# Altium PCB egse_pcb.PcbDoc (part 1 of 3) (continued)
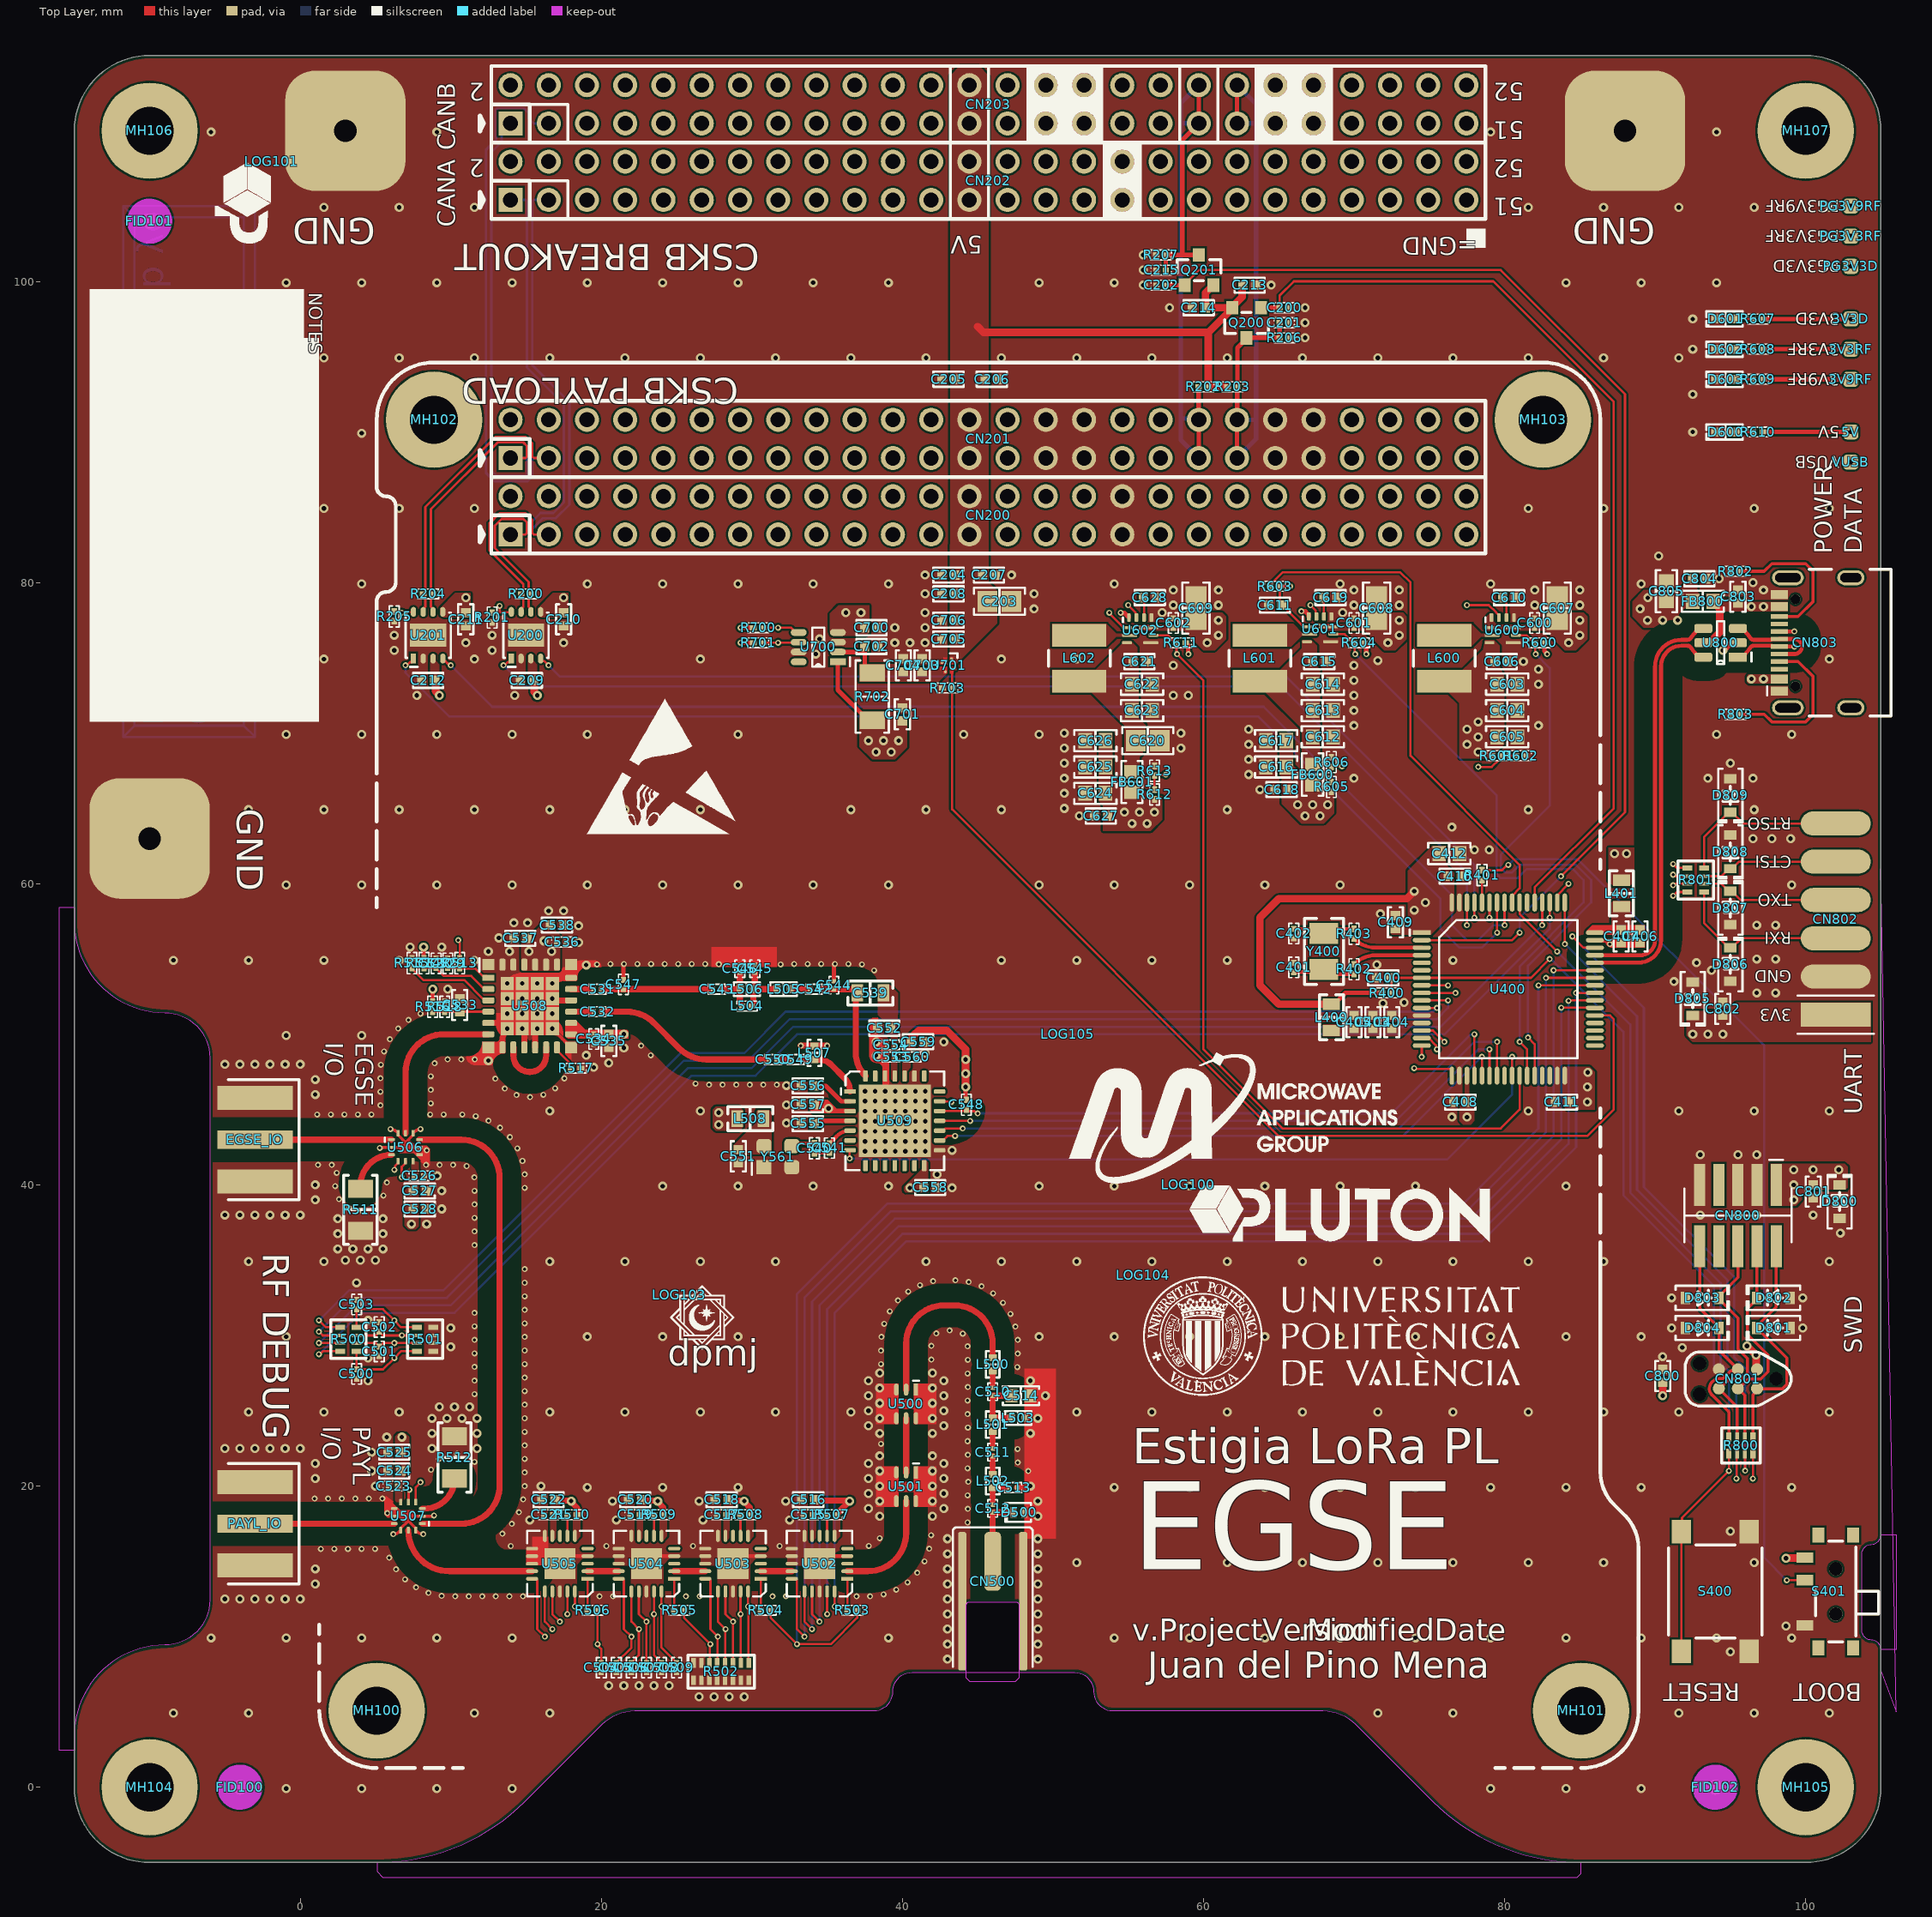
[diagram p0: Top Layer view]
## Footprints (in the part's own frame and the unit in brackets; to place one, negate y for a bottom-side part, rotate by r counter-clockwise, add the part's x,y. Pads: shape width x height; smd on the part's side, far side on the other; paste and mask are expansions set on the pad) (continued)
testpoint_via [mm] "top & bottom testpoint with a via"
  rrect50% 1x1 hole 0.3: 0(0,0)
USB4105-GF-A [mm] "USB4105-GF-A"
  rect 0.6x1.15 smd paste+0 mask+0: A1-B12(-3.2,3.59) A4-B9(-2.4,3.59) B1-A12(3.2,3.59) B4-A9(2.4,3.59)
  rect 0.3x1.15 smd paste+0 mask+0: A5(-1.25,3.59) A6(-0.25,3.59) A7(0.25,3.59) A8(1.25,3.59) B5(1.75,3.59) B6(0.75,3.59) B7(-0.75,3.59) B8(-1.75,3.59)
  rrect100% 1x1.8 hole 1.4 slot 0.6 at 0 deg paste-2539.97 mask+0: S(-4.32,-1.165) S(4.32,-1.165)
  rrect100% 1x2.1 hole 1.7 slot 0.6 at 0 deg paste-2539.97 mask+0: S(-4.32,3.015) S(4.32,3.015)
  round 0.65 hole 0.65 unplated paste-2539.97 mask+0: ""(-2.89,2.515) ""(2.89,2.515)
  silkscreen extent -4.86,-3.84 4.86,4.4, body extent -4.96,-3.94 4.96,4.27, height 0.25
VQFN-HR-TPS6291X [mm]
  rrect50% 0.65x0.2 smd: 1(-0.125,-0.675) 3(-0.125,-1.675) 5(1.625,-1.175)
  rrect50% 1x0.2 smd: 2(0.05,-1.175) 4(1.45,-1.675) 6(1.45,-0.675)
  rrect40% 0.25x0.55 smd: 7(1.5,0) 8(1,0) 9(0.5,0) 10(0,0)
  silkscreen extent -0.4,-0.3 -0.4,0, body extent -0.25,-1.92 1.75,0.08, height 1
WS-TASV_L6W6H4.3_4301x20438x6 [mm] "SMD Tact Switch, body 6x6mm"
  rect 1.55x1.3 smd: A1(-3.975,2.25) A2(3.975,2.25) B1(-3.975,-2.25) B2(3.975,-2.25)
  silkscreen extent -3.1,-3.1 3.1,3.1, body extent -4.5,-3.1 4.5,3.1, height 4.3
"WURTH WS-SLSU 450404015514" [mm] "Right angle Slide Switch"
  rect 0.7x1.1 smd: 1(2.25,-2.05) 2(-0.75,-2.05) 3(-2.25,-2.05)
  rect 1x0.8 smd: M(-3.75,-1.15) M(-3.75,1.15) M(3.75,-1.15) M(3.75,1.15)
  round 0.9 hole 0.9 unplated: MH(-1.5,0) MH(1.5,0)
  silkscreen extent -3.35,-1.35 3.35,2.85, body extent -3.85,-2.25 3.85,2.88, height 1.4

## Part data
3V3D 3V3RF 3V9RF 5V PG3V3D PG3V3RF PG3V9RF VUSB: library part TestPoint-VIA, "Test point, thru-hole"
C200 C201 C202 C215: library part GRM0335C1E221JA01D, "CAP CER 220PF 25V C0G/NP0 0201", Device Package="0201 (0603 Metric)", manufacturer="Murata Electronics", Operating Temperature="-55°C ~ 125°C", Supplier Part Number 1=490-GRM0335C1E221JA01DCT-ND, Temperature Coefficient="C0G, NP0", Tolerance=±5%, Voltage - Rated=25V, Applications="General Purpose", Capacitance="220 pF", componentlink2description="DigiKey Link", componentlink2url=https://www.digikey.com/en/products/detail/murata-electronics/GRM0335C1E221JA01D/10697031, lastupdated="04/06/2024 19:01:01", Lifecycle Status=Active, Minimum Order=1, Mounting Type="Surface Mount, MLCC", Package / Case="0201 (0603 Metric)", packaging=CutTape, Part Number=GRM0335C1E221JA01D, Part Status=Active, partid=46083, price=0.01, series=GRM, Size / Dimension="0.024\" L x 0.012\" W (0.60mm x 0.30mm)", Supplier 1=DigiKey, Thickness (Max)="0.013\" (0.33mm)"
C203 C620: library part GRM21BR61A476ME15K, "CAP CER 47UF 10V X5R 0805", Device Package="0805 (2012 Metric)", manufacturer="Murata Electronics", Operating Temperature="-55°C ~ 85°C", Supplier Part Number 1=490-GRM21BR61A476ME15KCT-ND, Temperature Coefficient=X5R, Tolerance=±20%, Voltage - Rated=10V, Applications="General Purpose", Capacitance="47 µF", ComponentLink1Description=Datasheet, ComponentLink1URL=https://www.murata.com/-/media/webrenewal/support/library/catalog/products/capacitor/ceramiccapacitor/c02e.ashx?la=en-us&cvid=20210120024548000000, componentlink2description="DigiKey Link", componentlink2url=https://www.digikey.com/en/products/detail/murata-electronics/GRM21BR61A476ME15K/4905528, lastupdated="09/02/2024 20:14:59", Lifecycle Status=Active, Minimum Order=1, Mounting Type="Surface Mount, MLCC", Package / Case="0805 (2012 Metric)", packaging=TapeAndReel, Part Number=GRM21BR61A476ME15K, Part Status=Active, partid=44285, price=0.13, series=GRM, Size / Dimension="0.079\" L x 0.049\" W (2.00mm x 1.25mm)", Supplier 1=DigiKey, Thickness (Max)="0.057\" (1.45mm)"
C204 C403 C406 C538 C704 C706: library part GRT155C71A105KE13D, "CAP CER 1UF 10V X7S 0402", Device Package="0402 (1005 Metric)", manufacturer="Murata Electronics", Operating Temperature="-55°C ~ 125°C", Ratings=AEC-Q200, Supplier Part Number 1=490-GRT155C71A105KE13DCT-ND, Temperature Coefficient=X7S, Tolerance=±10%, Voltage - Rated=10V, Applications=Automotive, Capacitance="1 µF", ComponentLink1Description=Datasheet, ComponentLink1URL=https://search.murata.co.jp/Ceramy/image/img/A01X/G101/ENG/GRT155C71A105KE13-01.pdf, componentlink2description="DigiKey Link", componentlink2url=https://www.digikey.com/en/products/detail/murata-electronics/GRT155C71A105KE13D/10695747, lastupdated="09/02/2024 20:04:05", Lifecycle Status=Active, Minimum Order=1, Mounting Type="Surface Mount, MLCC", Package / Case="0402 (1005 Metric)", packaging=TapeAndReel, Part Number=GRT155C71A105KE13D, Part Status=Active, partid=47127, price=0.04, series=GRT, Size / Dimension="0.039\" L x 0.020\" W (1.00mm x 0.50mm)", Supplier 1=DigiKey, Thickness (Max)="0.024\" (0.60mm)"
C205 C206 C207 C208 C209 C210 C211 C212 C213 C214 C400 C404 C407 C408 C409 C410 C411 C516 C518 C520 C522 C525 C528 C537 C551 C555 C556 C557 C558 C559 C606 C611 C615 C618 C621 C627 C700 C701 C702 C703 C705 C800 C801 C802 C803 C804: library part C0402C104K4RECAUTO, "CAP CER 0402 0.1UF 16V X7R 10%", Device Package="0402 (1005 Metric)", manufacturer=KEMET, Operating Temperature="-55°C ~ 125°C", Ratings=AEC-Q200, Supplier Part Number 1=399-17167-1-ND, Temperature Coefficient=X7R, Tolerance=±10%, Voltage - Rated=16V, Applications="Automotive, ESD Protection", Capacitance="0.1 µF", ComponentLink1Description=Datasheet, ComponentLink1URL=https://api.kemet.com/component-edge/download/datasheet/C0402C104K4RECAUTO.pdf, componentlink2description="DigiKey Link", componentlink2url=https://www.digikey.com/en/products/detail/kemet/C0402C104K4RECAUTO/8563695, lastupdated="09/02/2024 20:04:38", Lifecycle Status=Active, Minimum Order=1, Mounting Type="Surface Mount, MLCC", Package / Case="0402 (1005 Metric)", packaging=TapeAndReel, Part Number=C0402C104K4RECAUTO, Part Status=Active, partid=1731, price=0.01, series="ESD SMD Auto X7R", Size / Dimension="0.039\" L x 0.020\" W (1.00mm x 0.50mm)", Supplier 1=DigiKey, Thickness (Max)="0.022\" (0.55mm)"
C401 C402: library part CBR02C120F3GAC, "CAP CER 12PF 25V C0G/NP0 0201", Device Package="0201 (0603 Metric)", manufacturer=KEMET, Operating Temperature="-55°C ~ 125°C", Supplier Part Number 1=399-8604-1-ND, Temperature Coefficient="C0G, NP0", Tolerance=±1%, Voltage - Rated=25V, Applications="RF, Microwave, High Frequency", Capacitance="12 pF", ComponentLink1Description=Datasheet, ComponentLink1URL=https://api.kemet.com/component-edge/download/datasheet/CBR02C120F3GAC.pdf, componentlink2description="DigiKey Link", componentlink2url=https://www.digikey.com/en/products/detail/kemet/CBR02C120F3GAC/3479199, Features="High Q, Low Loss, Ultra Low ESR", lastupdated="04/06/2024 19:01:11", Lifecycle Status=Active, Minimum Order=1, Mounting Type="Surface Mount, MLCC", Package / Case="0201 (0603 Metric)", packaging=TapeAndReel, Part Number=CBR02C120F3GAC, Part Status=Active, partid=143, price=0.07, series="CBR-SMD RF C0G", Size / Dimension="0.024\" L x 0.012\" W (0.60mm x 0.30mm)", Supplier 1=DigiKey, Thickness (Max)="0.013\" (0.33mm)"
C405 C524 C527 C535 C552: library part GRM1555C1E103JE01J, "CAP CER 10000PF 25V C0G/NP0 0402", Device Package="0402 (1005 Metric)", manufacturer="Murata Electronics", Operating Temperature="-55°C ~ 125°C", Supplier Part Number 1=490-GRM1555C1E103JE01JCT-ND, Temperature Coefficient="C0G, NP0", Tolerance=±5%, Voltage - Rated=25V, Applications="General Purpose", Capacitance="10000 pF", ComponentLink1Description=Datasheet, ComponentLink1URL=https://search.murata.co.jp/Ceramy/image/img/A01X/G101/ENG/GRM1555C1E103JE01-01A.pdf, componentlink2description="DigiKey Link", componentlink2url=https://www.digikey.com/en/products/detail/murata-electronics/GRM1555C1E103JE01J/16033801, lastupdated="09/02/2024 20:04:09", Lifecycle Status=Active, Minimum Order=1, Mounting Type="Surface Mount, MLCC", Package / Case="0402 (1005 Metric)", packaging=TapeAndReel, Part Number=GRM1555C1E103JE01J, Part Status=Active, partid=41084, price=0.02, series=GRM, Size / Dimension="0.039\" L x 0.020\" W (1.00mm x 0.50mm)", Supplier 1=DigiKey, Thickness (Max)="0.026\" (0.65mm)"
C412 C805: library part GRM188Z71C475KE21J, "CAP CER 4.7UF 16V X7R 0603", Device Package="0603 (1608 Metric)", manufacturer="Murata Electronics", Operating Temperature="-55°C ~ 125°C", Supplier Part Number 1=490-GRM188Z71C475KE21JCT-ND, Temperature Coefficient=X7R, Tolerance=±10%, Voltage - Rated=16V, Applications="General Purpose", Capacitance="4.7 µF", ComponentLink1Description=Datasheet, ComponentLink1URL=https://search.murata.co.jp/Ceramy/image/img/A01X/G101/ENG/GRM188Z71C475KE21-01A.pdf, componentlink2description="DigiKey Link", componentlink2url=https://www.digikey.com/en/products/detail/murata-electronics/GRM188Z71C475KE21J/16033436, lastupdated="09/02/2024 20:09:51", Lifecycle Status=Active, Minimum Order=1, Mounting Type="Surface Mount, MLCC", Package / Case="0603 (1608 Metric)", packaging=TapeAndReel, Part Number=GRM188Z71C475KE21J, Part Status=Active, partid=41988, price=0.04, series=GRM, Size / Dimension="0.063\" L x 0.031\" W (1.60mm x 0.80mm)", Supplier 1=DigiKey, Thickness (Max)="0.039\" (1.00mm)"
C500 C501 C502 C503 C504 C505 C506 C507 C508 C509 C529 C530: library part GRM0335C1H560GA01D, "CAP CER 56PF 50V C0G/NP0 0201", Device Package="0201 (0603 Metric)", manufacturer="Murata Electronics", Operating Temperature="-55°C ~ 125°C", Supplier Part Number 1=490-13329-1-ND, Temperature Coefficient="C0G, NP0", Tolerance=±2%, Voltage - Rated=50V, Applications="General Purpose", Capacitance="56 pF", ComponentLink1Description=Datasheet, ComponentLink1URL=https://search.murata.co.jp/Ceramy/image/img/A01X/G101/ENG/GRM0335C1H560GA01-01.pdf, componentlink2description="DigiKey Link", componentlink2url=https://www.digikey.com/en/products/detail/murata-electronics/GRM0335C1H560GA01D/4358755, lastupdated="04/06/2024 19:01:09", Lifecycle Status=Active, Minimum Order=1, Mounting Type="Surface Mount", Package / Case="0201 (0603 Metric)", packaging=CutTape, Part Number=GRM0335C1H560GA01D, Part Status=Active, partid=528, price=0.01, series=GRM, Size / Dimension="0.024\" L x 0.012\" W (0.60mm x 0.30mm)", Supplier 1=DigiKey, Thickness (Max)="0.013\" (0.33mm)"
C510 C511: library part GJM0335C1E1R4BB01D, "CAP CER 1.4PF 25V C0G/NP0 0201", Device Package="0201 (0603 Metric)", manufacturer="Murata Electronics", Operating Temperature="-55°C ~ 125°C", Supplier Part Number 1=490-11174-1-ND, Temperature Coefficient="C0G, NP0", Tolerance=±0.1pF, Voltage - Rated=25V, Applications="RF, Microwave, High Frequency", Capacitance="1.4 pF", ComponentLink1Description=Datasheet, ComponentLink1URL=https://search.murata.co.jp/Ceramy/image/img/A01X/G101/ENG/GJM0335C1E1R4BB01-01.pdf, componentlink2description="DigiKey Link", componentlink2url=https://www.digikey.com/en/products/detail/murata-electronics/GJM0335C1E1R4BB01D/2592522, Features="High Q, Low Loss", lastupdated="03/06/2024 19:34:09", Lifecycle Status=Active, Minimum Order=1, Mounting Type="Surface Mount", Package / Case="0201 (0603 Metric)", packaging=TapeAndReel, Part Number=GJM0335C1E1R4BB01D, Part Status=Active, partid=255, price=0.01, series=GJM, Size / Dimension="0.024\" L x 0.012\" W (0.60mm x 0.30mm)", Supplier 1=DigiKey, Thickness (Max)="0.013\" (0.33mm)"
C512 C531 C532 C542 C550: library part QLCD250Q101J1GV001T, "CAP CER 100PF 25V C0G/NP0 0201", Device Package="0201 (0603 Metric)", manufacturer="Johanson Technology Inc.", Operating Temperature="-55°C ~ 125°C", Supplier Part Number 1=712-QLCD250Q101J1GV001TCT-ND, Temperature Coefficient="C0G, NP0", Tolerance=±5%, Voltage - Rated=25V, Applications="RF, Microwave, High Frequency", Capacitance="100 pF", ComponentLink1Description=Datasheet, ComponentLink1URL=https://www.johansontechnology.com/downloads/catalog/johanson-technology-multi-layer-high-q-capacitors.pdf, componentlink2description="DigiKey Link", componentlink2url=https://www.digikey.com/en/products/detail/johanson-technology-inc/QLCD250Q101J1GV001T/1561511, Features="High Q, Low Loss", lastupdated="03/06/2024 19:34:07", Lifecycle Status=Active, Minimum Order=1, Mounting Type="Surface Mount, MLCC", Package / Case="0201 (0603 Metric)", packaging=TapeAndReel, Part Number=QLCD250Q101J1GV001T, Part Status=Active, partid=3724, price=0.02, series=L, Size / Dimension="0.024\" L x 0.012\" W (0.60mm x 0.30mm)", Supplier 1=DigiKey, Thickness (Max)="0.013\" (0.33mm)"
C513: library part CBR02C229B3GAC, "CAP CER 2.2PF 25V C0G/NP0 0201", Device Package="0201 (0603 Metric)", manufacturer=KEMET, Operating Temperature="-55°C ~ 125°C", Supplier Part Number 1=399-8607-1-ND, Temperature Coefficient="C0G, NP0", Tolerance=±0.1pF, Voltage - Rated=25V, Applications="RF, Microwave, High Frequency", Capacitance="2.2 pF", ComponentLink1Description=Datasheet, ComponentLink1URL=https://api.kemet.com/component-edge/download/datasheet/CBR02C229B3GAC.pdf, componentlink2description="DigiKey Link", componentlink2url=https://www.digikey.com/en/products/detail/kemet/CBR02C229B3GAC/3479233, Features="High Q, Low Loss, Ultra Low ESR", lastupdated="03/06/2024 19:34:10", Lifecycle Status=Active, Minimum Order=1, Mounting Type="Surface Mount, MLCC", Package / Case="0201 (0603 Metric)", packaging=TapeAndReel, Part Number=CBR02C229B3GAC, Part Status=Active, partid=161, price=0.02, series="CBR-SMD RF C0G", Size / Dimension="0.024\" L x 0.012\" W (0.60mm x 0.30mm)", Supplier 1=DigiKey, Thickness (Max)="0.013\" (0.33mm)"
C514: library part CBR06C620F5GAC, "CAP CER 62PF 50V C0G/NP0 0603", Device Package="0603 (1608 Metric)", manufacturer=KEMET, Operating Temperature="-55°C ~ 125°C", Supplier Part Number 1=399-16219-1-ND, Temperature Coefficient="C0G, NP0", Tolerance=±1%, Voltage - Rated=50V, Applications="RF, Microwave, High Frequency", Capacitance="62 pF", ComponentLink1Description=Datasheet, ComponentLink1URL=https://api.kemet.com/component-edge/download/datasheet/CBR06C620F5GAC.pdf, componentlink2description="DigiKey Link", componentlink2url=https://www.digikey.com/en/products/detail/kemet/CBR06C620F5GAC/7649525, Features="High Q, Low Loss, Ultra Low ESR", lastupdated="03/06/2024 19:44:09", Lifecycle Status=Active, Minimum Order=1, Mounting Type="Surface Mount, MLCC", Package / Case="0603 (1608 Metric)", packaging=TapeAndReel, Part Number=CBR06C620F5GAC, Part Status=Active, partid=3653, price=0.30, series="CBR-SMD RF C0G", Size / Dimension="0.063\" L x 0.031\" W (1.60mm x 0.80mm)", Supplier 1=DigiKey, Thickness (Max)="0.035\" (0.90mm)"
C515 C517 C519 C521 C523 C526 C534 C536: library part GRM0335C1H221JA01D, "CAP CER 220PF 50V C0G/NP0 0201", Device Package="0201 (0603 Metric)", manufacturer="Murata Electronics", Operating Temperature="-55°C ~ 125°C", Supplier Part Number 1=490-11316-1-ND, Temperature Coefficient="C0G, NP0", Tolerance=±5%, Voltage - Rated=50V, Applications="General Purpose", Capacitance="220 pF", ComponentLink1Description=Datasheet, ComponentLink1URL=https://search.murata.co.jp/Ceramy/image/img/A01X/G101/ENG/GRM0335C1H221JA01-01.pdf, componentlink2description="DigiKey Link", componentlink2url=https://www.digikey.com/en/products/detail/murata-electronics/GRM0335C1H221JA01D/4904370, lastupdated="04/06/2024 19:01:09", Lifecycle Status=Active, Minimum Order=1, Mounting Type="Surface Mount", Package / Case="0201 (0603 Metric)", packaging=CutTape, Part Number=GRM0335C1H221JA01D, Part Status=Active, partid=574, price=0.01, series=GRM, Size / Dimension="0.024\" L x 0.012\" W (0.60mm x 0.30mm)", Supplier 1=DigiKey, Thickness (Max)="0.013\" (0.33mm)"
C533: library part CL05A105KO5NNNC, "CAP CER 1UF 16V X5R 0402", Device Package="0402 (1005 Metric)", manufacturer="Samsung Electro-Mechanics", Operating Temperature="-55°C ~ 85°C", Supplier Part Number 1=1276-1067-1-ND, Temperature Coefficient=X5R, Tolerance=±10%, Voltage - Rated=16V, Applications="General Purpose", Capacitance="1 µF", ComponentLink1Description=Datasheet, ComponentLink1URL=http://www.samsungsem.com/kr/support/product-search/mlcc/CL05A105KO5NNNC.jsp, componentlink2description="DigiKey Link", componentlink2url=https://www.digikey.com/en/products/detail/samsung-electro-mechanics/CL05A105KO5NNNC/3886725, lastupdated="09/02/2024 20:04:35", Lifecycle Status=Active, Minimum Order=1, Mounting Type="Surface Mount, MLCC", Package / Case="0402 (1005 Metric)", packaging=TapeAndReel, Part Number=CL05A105KO5NNNC, Part Status=Active, partid=3120, price=0.01, series=CL, Size / Dimension="0.039\" L x 0.020\" W (1.00mm x 0.50mm)", Supplier 1=DigiKey, Thickness (Max)="0.022\" (0.55mm)"
C539 L400 L401 L508: library part B82496C3101J000, "FIXED IND 100NH 200MA 1.8 OHM", Current Rating (Amps)=200mA, DC Resistance (DCR)="1.8Ohm Max", Device Package="0603 (1608 Metric)", Frequency - Self Resonant=1.8GHz, Inductance Frequency - Test=100MHz, manufacturer="TDK Electronics Inc.", Operating Temperature="-55°C ~ 150°C", Q @ Freq="14 @ 100MHz", Ratings=AEC-Q200, Supplier Part Number 1=495-1825-1-ND, Tolerance=±5%, ComponentLink1Description=Datasheet, ComponentLink1URL=https://www.tdk-electronics.tdk.com/inf/30/db/ind_2008/b82496c.pdf, componentlink2description="DigiKey Link", componentlink2url=http://digikey.com/product-detail/en/tdk-electronics-inc/B82496C3101J000/495-1825-1-ND/697680, Inductance=100nH, lastupdated="06/09/2020 11:05:16", Lifecycle Status=Active, Material - Core=Ceramic, Minimum Order=1, Mounting Type="Surface Mount", Package / Case="0603 (1608 Metric)", packaging=TapeAndReel, Part Number=B82496C3101J000, Part Status=Active, partid=755, price=0.16, series=SIMID, Shielding=Unshielded, Supplier 1=DigiKey, Supplier Device Package="0603 (1608 Metric)", Type=Wirewound
C540: library part RC0201FR-07220RL, "RES 220 OHM 1% 1/20W 0201", Device Package="0201 (0603 Metric)", manufacturer=Yageo, Operating Temperature="-55°C ~ 125°C", Power (Watts)="0.05W, 1/20W", Supplier Device Package=0201, Supplier Part Number 1=YAG2509CT-ND, Temperature Coefficient=±200ppm/°C, Tolerance=±1%, ComponentLink1Description=Datasheet, ComponentLink1URL=https://www.yageo.com/upload/media/product/productsearch/datasheet/rchip/PYu-RC_Group_51_RoHS_L_10.pdf, componentlink2description="DigiKey Link", componentlink2url=https://www.digikey.com/en/products/detail/yageo/RC0201FR-07220RL/5280369, Composition="Thick Film", Features="Moisture Resistant", Height - Seated (Max)="0.010\" (0.26mm)", lastupdated="04/06/2024 19:12:00", Lifecycle Status=Active, Minimum Order=1, Number of Terminations=2, Package / Case="0201 (0603 Metric)", packaging=TapeAndReel, Part Number=RC0201FR-07220RL, Part Status=Active, partid=816, price=0.01, Resistance="220 Ohms", series=RC_L, Size / Dimension="0.024\" L x 0.012\" W (0.60mm x 0.30mm)", Supplier 1=DigiKey
C541: library part GJM0335C1E100GB01D, "CAP CER 10PF 25V C0G/NP0 0201", Device Package="0201 (0603 Metric)", manufacturer="Murata Electronics", Operating Temperature="-55°C ~ 125°C", Supplier Part Number 1=490-16382-1-ND, Temperature Coefficient="C0G, NP0", Tolerance=±2%, Voltage - Rated=25V, Applications="RF, Microwave, High Frequency", Capacitance="10 pF", ComponentLink1Description=Datasheet, ComponentLink1URL=https://search.murata.co.jp/Ceramy/image/img/A01X/G101/ENG/GJM0335C1E100GB01-01.pdf, componentlink2description="DigiKey Link", componentlink2url=https://www.digikey.com/en/products/detail/murata-electronics/GJM0335C1E100GB01D/7363126, Features="High Q, Low Loss", lastupdated="04/06/2024 19:01:11", Lifecycle Status=Active, Minimum Order=1, Mounting Type="Surface Mount, MLCC", Package / Case="0201 (0603 Metric)", packaging=TapeAndReel, Part Number=GJM0335C1E100GB01D, Part Status=Active, partid=213, price=0.01, series=GJM, Size / Dimension="0.024\" L x 0.012\" W (0.60mm x 0.30mm)", Supplier 1=DigiKey, Thickness (Max)="0.013\" (0.33mm)"
C543 C553 C554 C560: library part QLCD250Q470K1GV001T, "CAP CER 47PF 25V NP0 0201", Device Package="0201 (0603 Metric)", manufacturer="Johanson Technology Inc.", Operating Temperature="-55°C ~ 125°C", Supplier Part Number 1=712-QLCD250Q470K1GV001TCT-ND, Temperature Coefficient="C0G, NP0", Tolerance=±10%, Voltage - Rated=25V, Applications="RF, Microwave, High Frequency", Capacitance="47 pF", ComponentLink1Description=Datasheet, ComponentLink1URL=https://www.johansontechnology.com/downloads/catalog/johanson-technology-multi-layer-high-q-capacitors.pdf, componentlink2description="DigiKey Link", componentlink2url=https://www.digikey.com/en/products/detail/johanson-technology-inc/QLCD250Q470K1GV001T/1919286, Features="High Q, Low Loss", lastupdated="03/06/2024 19:34:07", Lifecycle Status=Active, Minimum Order=1, Mounting Type="Surface Mount, MLCC", Package / Case="0201 (0603 Metric)", packaging=TapeAndReel, Part Number=QLCD250Q470K1GV001T, Part Status=Active, partid=3708, price=0.01, series=L, Size / Dimension="0.024\" L x 0.012\" W (0.60mm x 0.30mm)", Supplier 1=DigiKey, Thickness (Max)="0.013\" (0.33mm)"
C544 C549: library part GJM0335C1E4R7BB01D, "CAP CER 4.7PF 25V C0G/NP0 0201", Device Package="0201 (0603 Metric)", manufacturer="Murata Electronics", Operating Temperature="-55°C ~ 125°C", Supplier Part Number 1=490-8072-1-ND, Temperature Coefficient="C0G, NP0", Tolerance=±0.1pF, Voltage - Rated=25V, Applications="RF, Microwave, High Frequency", Capacitance="4.7 pF", ComponentLink1Description=Datasheet, ComponentLink1URL=https://search.murata.co.jp/Ceramy/image/img/A01X/G101/ENG/GJM0335C1E4R7BB01-01.pdf, componentlink2description="DigiKey Link", componentlink2url=https://www.digikey.com/en/products/detail/murata-electronics/GJM0335C1E4R7BB01D/2592646, Features="High Q, Low Loss", lastupdated="03/06/2024 19:34:09", Lifecycle Status=Active, Minimum Order=1, Mounting Type="Surface Mount", Package / Case="0201 (0603 Metric)", packaging=TapeAndReel, Part Number=GJM0335C1E4R7BB01D, Part Status=Active, partid=265, price=0.01, series=GJM, Size / Dimension="0.024\" L x 0.012\" W (0.60mm x 0.30mm)", Supplier 1=DigiKey, Thickness (Max)="0.013\" (0.33mm)"
C545 C546: library part GJM0335C1E6R8BB01D, "CAP CER 6.8PF 25V C0G/NP0 0201", Device Package="0201 (0603 Metric)", manufacturer="Murata Electronics", Operating Temperature="-55°C ~ 125°C", Supplier Part Number 1=490-11183-1-ND, Temperature Coefficient="C0G, NP0", Tolerance=±0.1pF, Voltage - Rated=25V, Applications="RF, Microwave, High Frequency", Capacitance="6.8 pF", ComponentLink1Description=Datasheet, ComponentLink1URL=https://search.murata.co.jp/Ceramy/image/img/A01X/G101/ENG/GJM0335C1E6R8BB01-01.pdf, componentlink2description="DigiKey Link", componentlink2url=https://www.digikey.com/en/products/detail/murata-electronics/GJM0335C1E6R8BB01D/2592738, Features="High Q, Low Loss", lastupdated="03/06/2024 19:34:10", Lifecycle Status=Active, Minimum Order=1, Mounting Type="Surface Mount", Package / Case="0201 (0603 Metric)", packaging=TapeAndReel, Part Number=GJM0335C1E6R8BB01D, Part Status=Active, partid=115, price=0.01, series=GJM, Size / Dimension="0.024\" L x 0.012\" W (0.60mm x 0.30mm)", Supplier 1=DigiKey, Thickness (Max)="0.013\" (0.33mm)"
C547: library part GJM0335C1E2R2BB01D, "CAP CER 2.2PF 25V C0G/NP0 0201", Capacitance="2.2 pF", Device Package="0201 (0603 Metric)", manufacturer="Murata Electronics", Operating Temperature="-55°C ~ 125°C", Supplier Part Number 1=490-8070-1-ND, Temperature Coefficient="C0G, NP0", Tolerance=±0.1pF, Voltage - Rated=25V, Applications="RF, Microwave, High Frequency", ComponentLink1Description=Datasheet, ComponentLink1URL=https://search.murata.co.jp/Ceramy/image/img/A01X/G101/ENG/GJM0335C1E2R2BB01-01.pdf, componentlink2description="DigiKey Link", componentlink2url=https://www.digikey.com/en/products/detail/murata-electronics/GJM0335C1E2R2BB01D/2592553, Features="High Q, Low Loss", lastupdated="04/06/2024 19:01:06", Lifecycle Status=Active, Minimum Order=1, Mounting Type="Surface Mount", Package / Case="0201 (0603 Metric)", packaging=TapeAndReel, Part Number=GJM0335C1E2R2BB01D, Part Status=Active, partid=1246, price=0.01, series=GJM, Size / Dimension="0.024\" L x 0.012\" W (0.60mm x 0.30mm)", Supplier 1=DigiKey, Thickness (Max)="0.013\" (0.33mm)"
C548 R400 R401 R503 R504 R505 R506 R507 R508 R509 R510 R514 R603: library part AF0201FR-0710KL, "RES SMD 10K OHM 1% 1/20W 0201", Device Package="0201 (0603 Metric)", manufacturer=Yageo, Operating Temperature="-55°C ~ 125°C", Power (Watts)="0.05W, 1/20W", Ratings=AEC-Q200, Supplier Device Package=0201, Supplier Part Number 1=13-AF0201FR-0710KLCT-ND, Temperature Coefficient=±200ppm/°C, Tolerance=±1%, ComponentLink1Description=Datasheet, ComponentLink1URL=https://www.yageo.com/upload/media/product/productsearch/datasheet/rchip/PYu-AF_51_RoHS_L_9.pdf, componentlink2description="DigiKey Link", componentlink2url=https://www.digikey.com/en/products/detail/yageo/AF0201FR-0710KL/5900138, Composition="Thick Film", Features="Anti-Sulfur, Automotive AEC-Q200", Height - Seated (Max)="0.010\" (0.26mm)", lastupdated="04/06/2024 19:11:47", Lifecycle Status=Active, Minimum Order=1, Number of Terminations=2, Package / Case="0201 (0603 Metric)", packaging=TapeAndReel, Part Number=AF0201FR-0710KL, Part Status=Active, partid=78061, price=0.01, Resistance="10 kOhms", series=AF, Size / Dimension="0.024\" L x 0.012\" W (0.60mm x 0.30mm)", Supplier 1=DigiKey
C600 C601 C602: library part CC0201KRX7R8BB222, "CAP CER 2200PF 25V X7R 0201", Device Package="0201 (0603 Metric)", manufacturer=Yageo, Operating Temperature="-55°C ~ 125°C", Supplier Part Number 1=13-CC0201KRX7R8BB222CT-ND, Temperature Coefficient=X7R, Tolerance=±10%, Voltage - Rated=25V, Applications="General Purpose", Capacitance="2200 pF", ComponentLink1Description=Datasheet, ComponentLink1URL=https://www.yageo.com/upload/media/product/productsearch/datasheet/mlcc/UPY-GPHC_X7R_6.3V-to-250V_22.pdf, componentlink2description="DigiKey Link", componentlink2url=https://www.digikey.com/en/products/detail/yageo/CC0201KRX7R8BB222/11490225, lastupdated="04/06/2024 19:00:56", Lifecycle Status=Active, Minimum Order=1, Mounting Type="Surface Mount, MLCC", Package / Case="0201 (0603 Metric)", packaging=CutTape, Part Number=CC0201KRX7R8BB222, Part Status=Active, partid=52408, price=0.01, series=CC, Size / Dimension="0.024\" L x 0.012\" W (0.60mm x 0.30mm)", Supplier 1=DigiKey, Thickness (Max)="0.013\" (0.33mm)"
C603 C604 C605 C612 C613 C614 C616 C617 C622 C623 C624 C625 C626: library part GRM188C80J226ME15D, "CAP CER 22UF 6.3V X6S 0603", Device Package="0603 (1608 Metric)", manufacturer="Murata Electronics", Operating Temperature="-55°C ~ 105°C", Supplier Part Number 1=490-10471-1-ND, Temperature Coefficient=X6S, Tolerance=±20%, Voltage - Rated=6.3V, Applications="General Purpose", Capacitance="22 µF", ComponentLink1Description=Datasheet, ComponentLink1URL=https://search.murata.co.jp/Ceramy/image/img/A01X/G101/ENG/GRM188C80J226ME15-01.pdf, componentlink2description="DigiKey Link", componentlink2url=https://www.digikey.com/en/products/detail/murata-electronics/GRM188C80J226ME15D/5027556, lastupdated="09/02/2024 20:10:26", Lifecycle Status=Active, Minimum Order=1, Mounting Type="Surface Mount, MLCC", Package / Case="0603 (1608 Metric)", packaging=TapeAndReel, Part Number=GRM188C80J226ME15D, Part Status=Active, partid=39580, price=0.03, series=GRM, Size / Dimension="0.063\" L x 0.031\" W (1.60mm x 0.80mm)", Supplier 1=DigiKey, Thickness (Max)="0.039\" (1.00mm)"
C607 C608 C609: library part C2012X7S1E106K125AC, "CAP CER 10UF 25V X7S 0805", Device Package="0805 (2012 Metric)", manufacturer="TDK Corporation", Operating Temperature="-55°C ~ 125°C", Supplier Part Number 1=445-181600-1-ND, Temperature Coefficient=X7S, Tolerance=±10%, Voltage - Rated=25V, Applications="General Purpose", Capacitance="10 µF", ComponentLink1Description=Datasheet, ComponentLink1URL=https://product.tdk.com/en/search/capacitor/ceramic/mlcc/info?part_no=C2012X7S1E106K125AC?ref_disty=digikey, componentlink2description="DigiKey Link", componentlink2url=https://www.digikey.com/en/products/detail/tdk-corporation/C2012X7S1E106K125AC/9991385, Features="Low ESL", lastupdated="09/02/2024 20:16:06", Lifecycle Status=Active, Minimum Order=1, Mounting Type="Surface Mount, MLCC", Package / Case="0805 (2012 Metric)", packaging=TapeAndReel, Part Number=C2012X7S1E106K125AC, Part Status=Active, partid=39303, price=0.11, series=C, Size / Dimension="0.079\" L x 0.049\" W (2.00mm x 1.25mm)", Supplier 1=DigiKey, Thickness (Max)="0.059\" (1.50mm)"
C610 C619 C628: library part CGA2B1X7S1C474K050BC, "CAP CER 0.47UF 16V X7S 0402", Device Package="0402 (1005 Metric)", manufacturer="TDK Corporation", Operating Temperature="-55°C ~ 125°C", Ratings=AEC-Q200, Supplier Part Number 1=445-174214-1-ND, Temperature Coefficient=X7S, Tolerance=±10%, Voltage - Rated=16V, Applications=Automotive, Capacitance="0.47 µF", ComponentLink1Description=Datasheet, ComponentLink1URL=https://product.tdk.com/info/en/catalog/datasheets/mlcc_automotive_general_en.pdf?ref_disty=digikey, componentlink2description="DigiKey Link", componentlink2url=https://www.digikey.com/en/products/detail/tdk-corporation/CGA2B1X7S1C474K050BC/4931442, lastupdated="09/02/2024 20:04:28", Lifecycle Status=Active, Minimum Order=1, Mounting Type="Surface Mount, MLCC", Package / Case="0402 (1005 Metric)", packaging=TapeAndReel, Part Number=CGA2B1X7S1C474K050BC, Part Status=Active, partid=7602, price=0.03, series=CGA, Size / Dimension="0.039\" L x 0.020\" W (1.00mm x 0.50mm)", Supplier 1=DigiKey, Thickness (Max)="0.022\" (0.55mm)"
CN200 CN202: library part "CubeSat Header H1 LoRa PL", "LoRa Payload only pins SAMTEC SSQ-126-04-G-D", System=Connector
CN201 CN203: library part "CubeSat Header H2 LoRa PL", "LoRa Payload only pins", System=Connector
CN500: library part MMCX-CONMMCX013, "MMCX Jack PCB Cutout Edge Mount Connector 0 to 8.5 GHz operation MMCX (female socket) connection"